# KiCad board radioboard_original.kicad_pcb (continued)
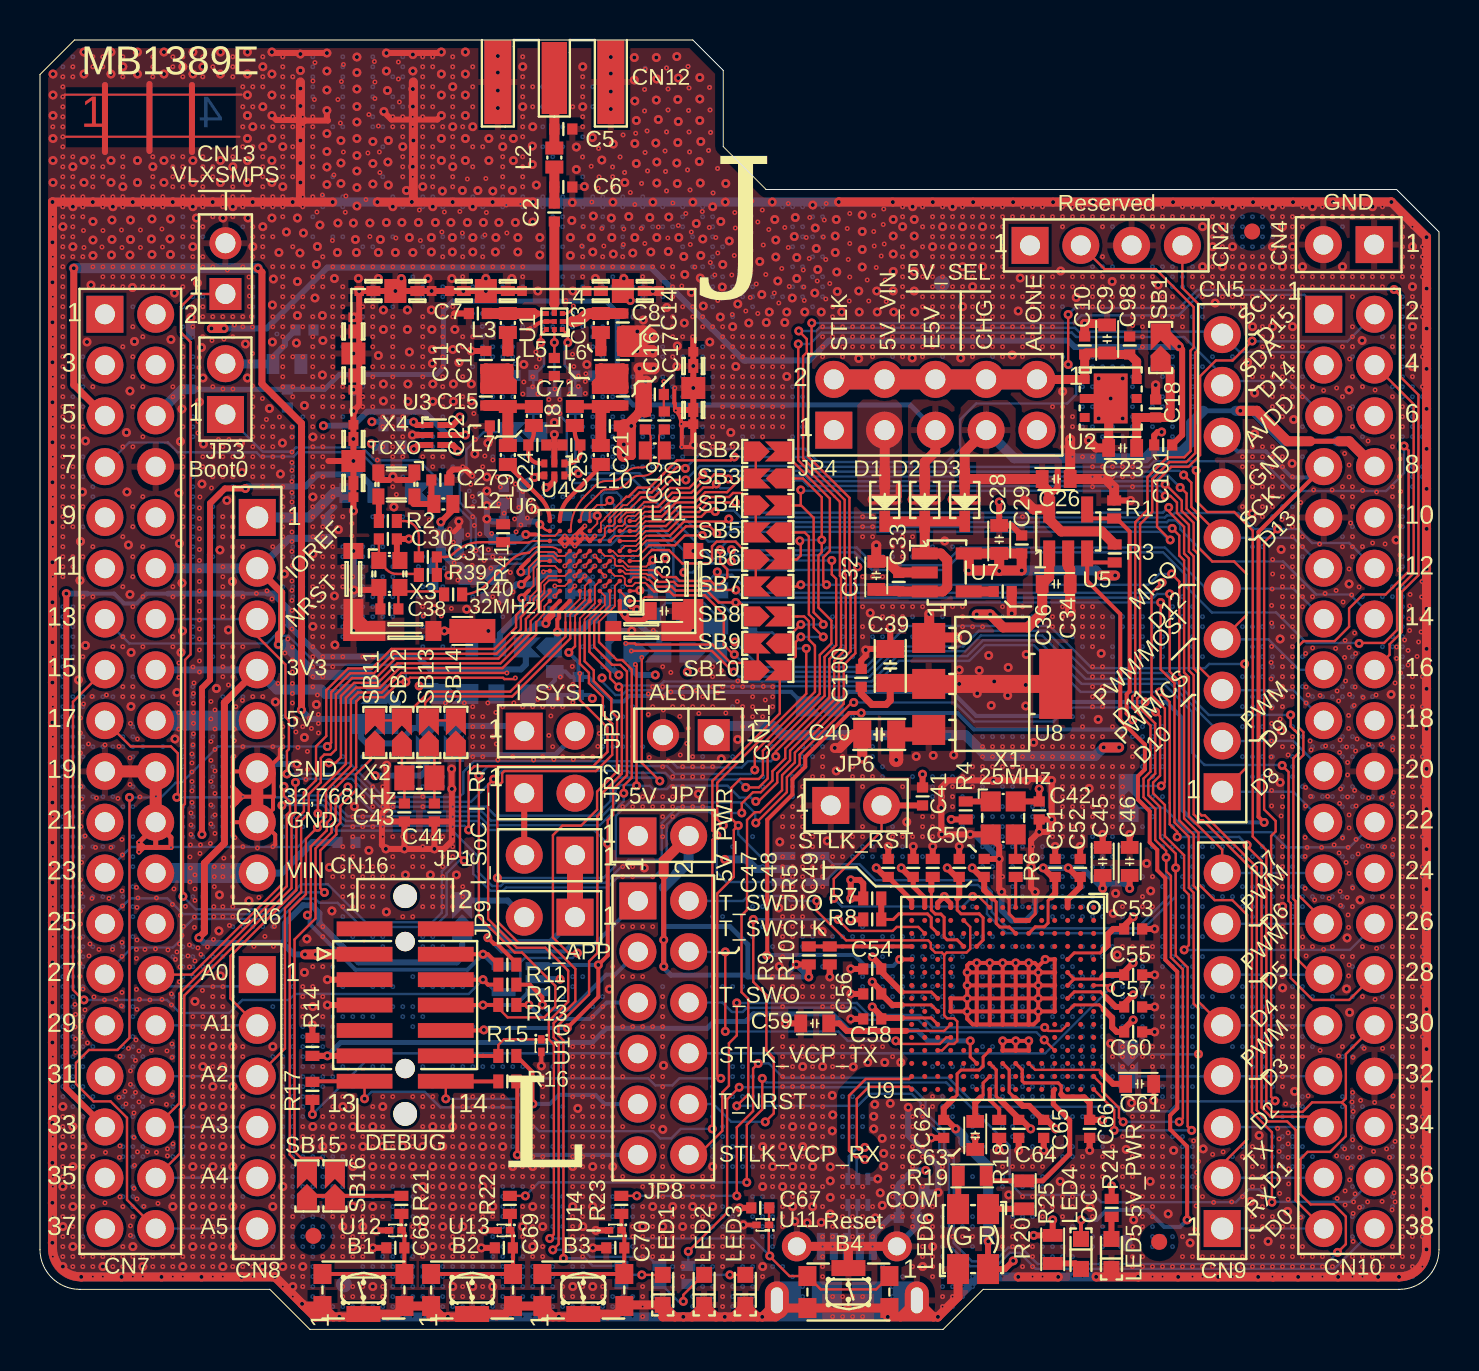
[diagram p0: board, top side]
## Routing (per net, layer and track width the routed paths; a pad name or vN(x,y) marks a point on that pad's centre or on a via; arc(x,y) is an arc through that point) (continued)
v2(7.6,26.35) v2(7.55,25.82) v2(7.55,25.22) v2(7.55,24.75) v2(7.64,56.64) v2(7.64,55.14) v2(7.64,54.64) v2(7.64,53.64) v2(7.64,53.14) v2(7.64,51.14) v2(7.64,50.14) v2(7.65,33.12) v2(7.7,32.32) v2(7.67,31.8) v2(7.67,31.31) v2(7.67,30.83) v2(7.67,30.31) v2(7.67,29.78) v2(7.65,29.23) v2(7.72,20.62) v2(7.72,20.1) v2(7.64,15.64) v2(7.64,15.14) v2(7.64,14.64) v2(7.64,14.14) v2(7.64,13.64) v2(7.64,13.14) v2(7.64,12.64) v2(7.64,12.14) v2(7.64,11.64) v2(7.64,11.14) v2(7.64,10.64) v2(7.64,10.14) v2(7.64,9.64) v2(7.64,9.14) v2(7.64,8.64) v2(7.64,7.64) v2(7.64,7.14) v2(7.64,6.64) v2(7.64,5.64) v2(7.64,5.14) v2(7.64,4.64) v2(7.64,3.64) v2(7.64,3.14) v2(7.75,22.72) v2(7.75,22.02) v2(7.75,21.45) v2(7.75,18.42) v2(7.9,45.4) v2(7.9,44.82) v2(7.9,19.07) v2(7.97,48.6) v2(7.95,48.1) v2(7.95,47.07) v2(8,41.62) v2(7.97,41.07) v2(7.97,40.55) v2(7.97,40.05) v2(7.97,39.52) v2(7.97,39) v2(7.97,38.45) v2(7.97,37.95) v2(7.97,37.4) v2(7.97,36.92) v2(7.97,36.4) v2(7.97,35.92) v2(7.97,35.47) v2(7.97,35.02) v2(7.97,34.52) v2(7.97,33.97) v2(7.97,33.42) v2(7.97,32.88) v2(8.02,24.22) v2(8,23.8) v2(8.05,18.75) v2(8.12,16.95) v2(8.14,63.64) v2(8.14,62.64) v2(8.14,58.64) v2(8.14,58.14) v2(8.14,57.64) v2(8.14,57.14) v2(8.14,56.64) v2(8.14,56.14) v2(8.14,55.14) v2(8.14,53.64) v2(8.14,53.14) v2(8.14,51.14) v2(8.14,50.64) v2(8.14,49.64) v2(8.14,43.64) v2(8.14,43.14) v2(8.14,16.14) v2(8.14,15.64) v2(8.14,15.14) v2(8.14,14.64) v2(8.14,14.14) v2(8.14,13.64) v2(8.14,12.64) v2(8.14,12.14) v2(8.14,11.64) v2(8.14,10.64) v2(8.14,10.14) v2(8.14,9.64) v2(8.14,8.64) v2(8.14,8.14) v2(8.14,7.64) v2(8.14,7.14) v2(8.14,6.64) v2(8.14,6.14) v2(8.14,5.64) v2(8.14,5.14) v2(8.14,4.64) v2(8.14,4.14) v2(8.14,3.64) v2(8.14,3.14) v2(8.38,19.12) v2(8.52,24.3) v2(8.6,49.45) v2(8.58,42.07) v2(8.55,31.4) v2(8.55,30.52) v2(8.55,29.4) v2(8.55,28.45) v2(8.55,27.4) v2(8.55,26.22) v2(8.55,25.27) v2(8.64,63.14) v2(8.64,58.14) v2(8.64,57.64) v2(8.64,55.64) v2(8.64,53.14) v2(8.64,50.64) v2(8.64,47.14) v2(8.64,44.14) v2(8.64,43.64) v2(8.64,43.14) v2(8.64,42.64) v2(8.72,23.14) v2(8.72,22.64) v2(8.72,22.14) v2(8.69,21.14) v2(8.69,20.64) v2(8.67,19.5) v2(8.64,17.14) v2(8.64,16.64) v2(8.64,16.14) v2(8.64,15.64) v2(8.64,15.14) v2(8.64,14.64) v2(8.64,13.64) v2(8.64,13.14) v2(8.64,12.64) v2(8.64,11.64) v2(8.64,11.14) v2(8.64,10.64) v2(8.64,10.14) v2(8.64,9.64) v2(8.64,9.14) v2(8.64,8.64) v2(8.64,7.64) v2(8.64,7.14) v2(8.64,6.64) v2(8.64,5.64) v2(8.64,5.14) v2(8.64,4.64) v2(8.64,3.64) v2(8.64,3.14) v2(8.64,2.64) v2(8.75,30.97) v2(8.75,30.02) v2(8.75,29) v2(8.75,27.92) v2(8.75,26.8) v2(8.75,25.72) v2(8.75,24.8) v2(8.92,44.5) v2(9.14,56.64) v2(9.14,56.14) v2(9.14,50.64) v2(9.2,49.52) v2(9.15,47.02) v2(9.14,44.14) v2(9.14,43.64) v2(9.14,43.14) v2(9.14,42.64) v2(9.14,40.64) v2(9.14,40.14) v2(9.14,39.64) v2(9.14,38.14) v2(9.14,37.64) v2(9.14,37.14) v2(9.14,36.64) v2(9.14,36.14) v2(9.14,35.64) v2(9.14,34.14) v2(9.14,33.64) v2(9.14,33.14) v2(9.14,32.64) v2(9.19,23.56) v2(9.14,23.14) v2(9.14,22.64) v2(9.14,21.14) v2(9.14,20.64) v2(9.14,17.14) v2(9.14,16.64) v2(9.14,16.14) v2(9.14,15.64) v2(9.14,15.14) v2(9.14,14.64) v2(9.14,14.14) v2(9.14,13.64) v2(9.14,12.64) v2(9.14,12.14) v2(9.14,11.64) v2(9.14,10.64) v2(9.14,10.14) v2(9.14,9.64) v2(9.14,8.64) v2(9.14,8.14) v2(9.14,7.64) v2(9.14,7.14) v2(9.14,6.64) v2(9.14,6.14) v2(9.14,5.64) v2(9.14,5.14) v2(9.14,4.64) v2(9.14,4.14) v2(9.14,3.64) v2(9.14,2.64) v2(9.38,52.97) v2(9.42,32.22) v2(9.45,44.5) v2(9.47,20.2) v2(9.64,63.64) v2(9.64,63.14) v2(9.64,62.64) v2(9.64,58.64) v2(9.64,57.64) v2(9.64,57.14) v2(9.64,56.64) v2(9.64,55.64) v2(9.64,50.64) v2(9.72,50.22) v2(9.64,49.64) v2(9.65,47.02) v2(9.64,43.64) v2(9.64,43.14) v2(9.64,42.64) v2(9.64,40.64) v2(9.64,40.14) v2(9.64,39.64) v2(9.64,39.14) v2(9.64,38.64) v2(9.64,38.14) v2(9.64,36.64) v2(9.64,36.14) v2(9.64,35.64) v2(9.64,34.14) v2(9.64,33.64) v2(9.64,33.14) v2(9.64,32.64) v2(9.72,30.01) v2(9.72,29.44) v2(9.64,24.14) v2(9.64,23.64) v2(9.64,23.14) v2(9.64,22.64) v2(9.64,22.14) v2(9.64,21.64) v2(9.64,21.14) v2(9.64,20.64) v2(9.64,15.64) v2(9.64,15.14) v2(9.64,14.64) v2(9.64,13.64) v2(9.64,13.14) v2(9.64,12.64) v2(9.64,11.64) v2(9.64,11.14) v2(9.64,10.64) v2(9.64,10.14) v2(9.64,9.64) v2(9.64,9.14) v2(9.64,8.64) v2(9.64,7.64) v2(9.64,7.14) v2(9.64,6.64) v2(9.64,5.64) v2(9.64,5.14) v2(9.64,4.64) v2(9.64,3.64) v2(9.64,3.14) v2(9.79,31.14) v2(10.12,31.45) v2(10.14,62.14) v2(10.14,61.14) v2(10.14,60.14) v2(10.14,59.14) v2(10.14,56.64) v2(10.14,56.14) v2(10.14,53.14) v2(10.14,50.64) v2(10.14,50.14) v2(10.14,43.64) v2(10.14,39.14) v2(10.14,36.64) v2(10.14,34.14) v2(10.14,29.14) v2(10.14,24.14) v2(10.14,14.14) v2(10.14,13.64) v2(10.14,11.64) v2(10.14,11.14) v2(10.14,9.14) v2(10.14,8.64) v2(10.14,6.14) v2(10.14,3.64) v2(10.14,3.14) v2(10.45,52.62) v2(10.47,52.12) v2(10.47,51.67) v2(10.47,51.15) v2(10.52,48.4) v2(10.58,50.65) v2(10.62,50.12) v2(10.62,48.8) v2(10.62,47.17) v2(10.64,62.14) v2(10.64,61.14) v2(10.64,59.14) v2(10.64,55.14) v2(10.64,54.64) v2(10.64,53.64) v2(10.64,46.64) v2(10.64,46.14) v2(10.64,45.64) v2(10.64,45.14) v2(10.64,44.64) v2(10.64,44.14) v2(10.64,43.64) v2(10.64,43.14) v2(10.64,42.64) v2(10.64,31.64) v2(10.7,19.15) v2(10.64,3.64) v2(10.64,3.14) v2(10.64,2.64) v2(10.83,36.8) v2(10.88,24.07) v2(10.95,21.6) v2(11.12,46.55) v2(11.14,63.64) v2(11.14,62.64) v2(11.14,62.14) v2(11.14,60.14) v2(11.14,58.64) v2(11.14,58.14) v2(11.14,57.64) v2(11.14,57.14) v2(11.14,56.64) v2(11.14,56.14) v2(11.14,54.64) v2(11.14,54.14) v2(11.14,53.64) v2(11.14,45.14) v2(11.14,44.64) v2(11.14,44.14) v2(11.14,43.64) v2(11.14,43.14) v2(11.14,42.64) v2(11.14,42.14) v2(11.14,31.64) v2(11.14,3.64) v2(11.14,2.64) v2(11.33,45.5) v2(11.25,19.65) v2(11.35,36.92) v2(11.6,36.52) v2(11.64,60.14) v2(11.64,56.64) v2(11.64,56.14) v2(11.64,54.64) v2(11.64,53.14) v2(11.64,50.64) v2(11.64,50.14) v2(11.64,48.64) v2(11.64,45.14) v2(11.64,44.64) v2(11.64,44.14) v2(11.64,43.64) v2(11.64,43.14) v2(11.64,42.14) v2(11.64,39.14) v2(11.64,29.14) v2(11.72,20.15) v2(11.67,19.15) v2(11.64,11.64) v2(11.64,11.14) v2(11.64,9.14) v2(11.64,8.64) v2(11.64,6.64) v2(11.64,3.64) v2(11.64,3.14) v2(11.9,32.3) v2(11.97,45.62) v2(12.14,63.64) v2(12.14,63.14) v2(12.14,62.64) v2(12.14,62.14) v2(12.14,61.64) v2(12.14,61.14) v2(12.14,60.64) v2(12.14,60.14) v2(12.14,59.64) v2(12.14,58.64) v2(12.14,58.14) v2(12.14,57.64) v2(12.14,56.64) v2(12.14,56.14) v2(12.14,55.64) v2(12.14,53.14) v2(12.14,52.64) v2(12.14,52.14) v2(12.14,51.64) v2(12.14,51.14) v2(12.14,50.64) v2(12.14,50.14) v2(12.14,49.64) v2(12.14,49.14) v2(12.14,48.64) v2(12.14,48.14) v2(12.14,47.64) v2(12.14,47.14) v2(12.14,45.14) v2(12.14,43.64) v2(12.14,42.14) v2(12.14,41.64) v2(12.14,41.14) v2(12.14,40.64) v2(12.14,40.14) v2(12.14,39.64) v2(12.14,39.14) v2(12.14,38.64) v2(12.14,30.14) v2(12.14,29.64) v2(12.14,8.64) v2(12.14,8.14) v2(12.14,7.64) v2(12.14,6.64) v2(12.14,6.14) v2(12.14,5.64) v2(12.14,5.14) v2(12.14,4.64) v2(12.14,4.14) v2(12.14,3.64) v2(12.14,2.14) v2(12.25,33.82) v2(12.4,34.52) v2(12.6,45.12) v2(12.6,44.62) v2(12.6,43.88) v2(12.6,43.35) v2(12.6,42.95) v2(12.6,42.4) v2(12.6,41.85) v2(12.6,41.38) v2(12.6,40.9) v2(12.6,40.4) v2(12.6,39.88) v2(12.6,39.4) v2(12.6,38.9) v2(12.62,38.2) v2(12.6,37.42) v2(12.6,36.95) v2(12.6,36.45) v2(12.6,35.95) v2(12.6,35.5) v2(12.6,35.02) v2(12.62,34.12) v2(12.62,33.47) v2(12.62,32.88) v2(12.62,32.3) v2(12.62,31.8) v2(12.62,31.32) v2(12.64,62.64) v2(12.64,61.64) v2(12.64,60.64) v2(12.64,60.14) v2(12.64,59.14) v2(12.64,58.64) v2(12.64,57.64) v2(12.64,54.14) v2(12.64,53.14) v2(12.64,51.64) v2(12.64,51.14) v2(12.64,50.14) v2(12.64,48.64) v2(12.64,47.14) v2(12.64,46.64) v2(12.64,5.64) v2(12.64,5.14) v2(12.64,4.14) v2(12.64,3.64) v2(12.64,3.14) v2(12.64,2.64) v2(12.64,1.64) v2(12.8,30.55) v2(12.8,29.88) v2(12.9,29.1) v2(13.14,60.64) v2(13.14,60.14) v2(13.14,56.64) v2(13.14,56.14) v2(13.14,53.14) v2(13.14,51.64) v2(13.14,51.14) v2(13.14,50.14) v2(13.14,48.64) v2(13.14,47.14) v2(13.14,30.14) v2(13.14,17.14) v2(13.14,16.64) v2(13.14,16.14) v2(13.14,15.64) v2(13.14,10.14) v2(13.14,9.64) v2(13.14,9.14) v2(13.14,3.64) v2(13.14,2.64) v2(13.14,2.14) v2(13.3,27.5) v2(13.38,28.9) v2(13.38,28) v2(13.47,30.55) v2(13.58,30.05) v2(13.65,62.42) v2(13.72,61.5) v2(13.64,60.64) v2(13.64,60.14) v2(13.64,59.64) v2(13.64,59.14) v2(13.64,58.64) v2(13.64,58.14) v2(13.64,57.64) v2(13.64,56.64) v2(13.64,52.64) v2(13.64,52.14) v2(13.64,50.64) v2(13.64,50.14) v2(13.64,49.64) v2(13.64,49.14) v2(13.64,48.64) v2(13.64,48.14) v2(13.64,47.64) v2(13.64,47.14) v2(13.64,46.64) v2(13.64,45.64) v2(13.64,45.14) v2(13.64,44.14) v2(13.64,43.64) v2(13.64,43.14) v2(13.64,42.64) v2(13.64,42.14) v2(13.64,41.14) v2(13.64,40.64) v2(13.64,40.14) v2(13.64,39.64) v2(13.64,38.14) v2(13.64,37.64) v2(13.64,37.14) v2(13.64,36.64) v2(13.64,36.14) v2(13.64,35.64) v2(13.64,34.64) v2(13.64,34.14) v2(13.64,33.64) v2(13.64,33.14) v2(13.64,32.64) v2(13.64,32.14) v2(13.64,18.14) v2(13.64,17.14) v2(13.64,16.64) v2(13.64,9.64) v2(13.64,9.14) v2(13.75,63.35) v2(13.85,55.88) v2(13.88,31.72) v2(13.92,30.75) v2(13.92,30.3) v2(13.92,29.82) v2(14.12,56.72) v2(14.14,53.64) v2(14.14,52.64) v2(14.14,52.14) v2(14.14,50.14) v2(14.14,48.64) v2(14.14,47.14) v2(14.14,46.64) v2(14.14,46.14) v2(14.14,44.64) v2(14.14,44.14) v2(14.14,43.64) v2(14.14,43.14) v2(14.14,42.64) v2(14.14,42.14) v2(14.14,41.64) v2(14.14,41.14) v2(14.14,40.64) v2(14.14,40.14) v2(14.14,39.64) v2(14.14,39.14) v2(14.14,38.64) v2(14.14,38.14) v2(14.14,37.64) v2(14.14,37.14) v2(14.14,36.64) v2(14.14,36.14) v2(14.14,35.64) v2(14.14,35.14) v2(14.14,34.64) v2(14.14,34.14) v2(14.14,33.64) v2(14.14,33.14) v2(14.14,32.64) v2(14.14,20.14) v2(14.14,19.64) v2(14.14,18.14) v2(14.14,16.64) v2(14.14,15.64) v2(14.14,13.14) v2(14.14,10.64) v2(14.14,10.14) v2(14.14,9.64) v2(14.14,3.64) v2(14.62,54.45) v2(14.7,57.72) v2(14.64,53.14) v2(14.64,51.64) v2(14.64,51.14) v2(14.64,50.64) v2(14.64,50.14) v2(14.64,49.64) v2(14.64,49.14) v2(14.64,48.64) v2(14.64,48.14) v2(14.64,47.64) v2(14.64,47.14) v2(14.64,46.64) v2(14.64,46.14) v2(14.64,45.64) v2(14.64,44.64) v2(14.64,42.14) v2(14.64,41.64) v2(14.64,41.14) v2(14.64,40.64) v2(14.64,39.14) v2(14.64,38.64) v2(14.64,38.14) v2(14.64,37.64) v2(14.64,37.14) v2(14.64,36.14) v2(14.64,35.64) v2(14.64,35.14) v2(14.64,33.64) v2(14.64,33.14) v2(14.64,22.64) v2(14.64,11.64) v2(14.64,11.14) v2(14.64,10.64) v2(14.64,9.64) v2(14.64,9.14) v2(14.64,5.64) v2(14.64,4.14) v2(14.64,3.64) v2(14.9,61.5) v2(15.02,60.32) v2(15.08,62.4) v2(15.17,63.25) v2(15.17,58.88) v2(15.14,53.14) v2(15.14,52.14) v2(15.14,51.64) v2(15.14,51.14) v2(15.14,50.64) v2(15.14,50.14) v2(15.14,49.64) v2(15.14,47.64) v2(15.14,47.14) v2(15.14,46.64) v2(15.14,46.14) v2(15.14,40.64) v2(15.14,38.14) v2(15.14,37.64) v2(15.14,37.14) v2(15.14,33.64) v2(15.14,24.14) v2(15.14,23.64) v2(15.14,23.14) v2(15.14,22.64) v2(15.14,22.14) v2(15.14,21.64) v2(15.14,21.14) v2(15.14,11.64) v2(15.14,10.64) v2(15.14,10.14) v2(15.14,9.64) v2(15.14,5.64) v2(15.14,4.64) v2(15.14,4.14) v2(15.14,3.64) v2(15.14,2.14) v2(15.14,1.64) v2(15.3,56.67) v2(15.27,55.86) v2(15.6,40.3) v2(15.6,39.67) v2(15.64,53.14) v2(15.64,37.64) v2(15.64,25.64) v2(15.64,25.14) v2(15.64,24.64) v2(15.64,24.14) v2(15.64,23.64) v2(15.64,23.14) v2(15.64,22.64) v2(15.64,22.14) v2(15.64,21.64) v2(15.64,21.14) v2(15.64,11.64) v2(15.64,11.14) v2(15.64,10.64) v2(15.64,9.64) v2(15.64,9.14) v2(15.64,8.64) v2(15.64,7.64) v2(15.64,7.14) v2(15.64,5.64) v2(15.64,5.14) v2(15.64,4.64) v2(15.64,3.64) v2(15.64,2.14) v2(15.64,1.64) v2(16.14,53.14) v2(16.14,51.14) v2(16.14,46.64) v2(16.14,46.14) v2(16.14,33.64) v2(16.14,26.64) v2(16.14,25.64) v2(16.14,25.14) v2(16.14,24.64) v2(16.14,23.14) v2(16.14,22.64) v2(16.14,22.14) v2(16.14,21.64) v2(16.14,21.14) v2(16.14,10.64) v2(16.14,10.14) v2(16.14,9.64) v2(16.14,8.64) v2(16.14,8.14) v2(16.14,7.64) v2(16.14,7.14) v2(16.14,6.14) v2(16.14,5.64) v2(16.14,4.64) v2(16.14,4.14) v2(16.14,3.64) v2(16.14,2.14) v2(16.14,1.64) v2(16.3,56.5) v2(16.4,58.82) v2(16.45,60.75) v2(16.5,54.65) v2(16.73,63.4) v2(16.64,53.14) v2(16.64,51.14) v2(16.64,50.64) v2(16.64,50.14) v2(16.64,49.64) v2(16.64,49.14) v2(16.64,48.14) v2(16.64,47.64) v2(16.64,47.14) v2(16.64,46.64) v2(16.64,46.14) v2(16.64,33.64) v2(16.64,27.14) v2(16.64,26.64) v2(16.64,26.14) v2(16.64,25.64) v2(16.64,25.14) v2(16.64,24.64) v2(16.64,23.14) v2(16.64,22.64) v2(16.64,22.14) v2(16.64,21.64) v2(16.64,21.14) v2(16.64,11.14) v2(16.64,10.64) v2(16.64,9.64) v2(16.64,9.14) v2(16.64,8.64) v2(16.64,7.64) v2(16.64,7.14) v2(16.64,5.64) v2(16.64,1.64) v2(16.75,62.38) v2(16.75,61.55) v2(16.92,60.17) v2(16.87,43.48) v2(16.98,58.88) v2(17,57.85) v2(17.14,53.14) v2(17.14,48.14) v2(17.14,45.64) v2(17.14,45.14) v2(17.14,44.14) v2(17.14,27.14) v2(17.14,26.64) v2(17.14,26.14) v2(17.14,25.64) v2(17.14,25.14) v2(17.14,24.64) v2(17.14,23.14) v2(17.14,22.64) v2(17.14,22.14) v2(17.14,21.64) v2(17.14,11.64) v2(17.14,10.64) v2(17.14,10.14) v2(17.14,9.64) v2(17.14,8.64) v2(17.14,8.14) v2(17.14,7.64) v2(17.14,7.14) v2(17.14,6.14) v2(17.14,5.64) v2(17.14,2.14) v2(17.14,1.64) v2(17.64,60.64) v2(17.64,60.14) v2(17.64,53.14) v2(17.64,50.64) v2(17.64,50.14) v2(17.64,49.64) v2(17.64,49.14) v2(17.64,48.64) v2(17.64,48.14) v2(17.64,47.64) v2(17.64,47.14) v2(17.64,46.64) v2(17.64,46.14) v2(17.64,45.64) v2(17.64,45.14) v2(17.64,44.64) v2(17.64,44.14) v2(17.64,43.64) v2(17.64,43.14) v2(17.64,42.14) v2(17.64,26.64) v2(17.64,26.14) v2(17.64,24.64) v2(17.64,23.64) v2(17.64,23.14) v2(17.64,22.64) v2(17.64,11.64) v2(17.64,9.64) v2(17.64,9.14) v2(17.64,8.64) v2(17.64,7.64) v2(17.8,54.57) v2(17.83,41.75) v2(17.92,63.38) v2(17.92,62.52) v2(17.98,61.38) v2(18.14,60.64) v2(18.14,60.14) v2(18.14,59.64) v2(18.14,58.64) v2(18.14,58.14) v2(18.14,57.64) v2(18.14,53.14) v2(18.14,48.14) v2(18.14,45.64) v2(18.14,45.14) v2(18.14,44.64) v2(18.14,44.14) v2(18.14,43.64) v2(18.14,24.64) v2(18.14,20.64) v2(18.14,9.64) v2(18.14,8.64) v2(18.14,8.14) v2(18.14,7.64) v2(18.64,60.64) v2(18.64,60.14) v2(18.64,58.64) v2(18.64,57.64) v2(18.64,53.14) v2(18.64,48.14) v2(18.64,24.64) v2(18.64,23.64) v2(18.64,23.14) v2(18.64,20.64) v2(18.64,11.64) v2(18.64,9.64) v2(18.64,9.14) v2(18.64,8.64) v2(18.64,7.64) v2(18.64,5.14) v2(18.64,4.64) v2(18.98,55.97) v2(19.02,54.45) v2(19.14,63.64) v2(19.14,63.14) v2(19.14,62.64) v2(19.14,62.14) v2(19.14,61.64) v2(19.14,61.14) v2(19.14,60.64) v2(19.14,60.14) v2(19.14,59.64) v2(19.14,59.14) v2(19.14,58.64) v2(19.14,58.14) v2(19.14,57.64) v2(19.14,53.14) v2(19.14,50.64) v2(19.14,50.14) v2(19.14,49.64) v2(19.14,49.14) v2(19.14,48.64) v2(19.14,48.14) v2(19.14,47.64) v2(19.14,47.14) v2(19.14,46.64) v2(19.14,46.14) v2(19.14,43.64) v2(19.14,36.14) v2(19.17,35.68) v2(19.14,26.64) v2(19.14,26.14) v2(19.14,24.64) v2(19.14,24.14) v2(19.14,23.64) v2(19.14,23.14) v2(19.14,22.14) v2(19.14,21.14) v2(19.14,11.64) v2(19.14,11.14) v2(19.14,10.14) v2(19.14,9.64) v2(19.14,8.64) v2(19.14,8.14) v2(19.14,7.64) v2(19.14,6.64) v2(19.14,6.14) v2(19.14,5.64) v2(19.14,4.64) v2(19.14,4.14) v2(19.14,3.64) v2(19.48,40.48) v2(19.64,63.64) v2(19.64,63.14) v2(19.64,62.14) v2(19.64,61.14) v2(19.64,60.14) v2(19.64,59.14) v2(19.64,58.64) v2(19.64,58.14) v2(19.64,57.64) v2(19.64,57.14) v2(19.64,53.14) v2(19.64,43.64) v2(19.64,43.14) v2(19.64,24.64) v2(19.64,22.14) v2(19.64,21.64) v2(19.64,21.14) v2(19.64,11.64) v2(19.64,11.14) v2(19.64,10.64) v2(19.64,9.64) v2(19.64,9.14) v2(19.64,8.64) v2(19.64,7.64) v2(19.64,7.14) v2(19.64,6.64) v2(19.64,5.64) v2(19.64,5.14) v2(19.64,4.64) v2(19.64,3.64) v2(19.9,39.83) v2(20.1,54.88) v2(20.08,35.68) v2(20.14,60.14) v2(20.23,55.88) v2(20.14,53.64) v2(20.14,53.14) v2(20.14,51.14) v2(20.14,50.64) v2(20.14,50.14) v2(20.14,49.64) v2(20.14,49.14) v2(20.14,48.64) v2(20.14,48.14) v2(20.14,47.64) v2(20.14,47.14) v2(20.14,46.64) v2(20.14,46.14) v2(20.14,43.64) v2(20.14,24.64) v2(20.14,23.64) v2(20.14,23.14) v2(20.14,22.64) v2(20.14,22.14) v2(20.14,21.64) v2(20.14,21.14) v2(20.14,10.64) v2(20.14,10.14) v2(20.14,9.64) v2(20.14,8.64) v2(20.14,8.14) v2(20.14,7.64) v2(20.14,6.64) v2(20.14,6.14) v2(20.14,5.64) v2(20.14,4.64) v2(20.14,4.14) v2(20.14,3.64) v2(20.27,31.33) v2(20.5,40.03) v2(20.58,36.05) v2(20.64,63.64) v2(20.64,63.14) v2(20.64,62.64) v2(20.64,61.64) v2(20.64,61.14) v2(20.64,60.64) v2(20.64,59.64) v2(20.64,59.14) v2(20.64,58.64) v2(20.64,57.64) v2(20.64,57.14) v2(20.64,53.14) v2(20.64,51.14) v2(20.64,50.64) v2(20.67,39.36) v2(20.71,38.32) v2(20.64,26.14) v2(20.64,25.64) v2(20.64,25.14) v2(20.64,24.64) v2(20.64,24.14) v2(20.64,23.64) v2(20.64,22.14) v2(20.64,21.64) v2(20.64,21.14) v2(20.64,11.14) v2(20.64,10.64) v2(20.64,9.64) v2(20.64,9.14) v2(20.64,8.64) v2(20.64,7.64) v2(20.64,7.14) v2(20.64,6.64) v2(20.64,5.64) v2(20.64,5.14) v2(20.64,4.64) v2(20.64,3.64) v2(20.64,1.64) v2(20.9,37.46) v2(21,55.9) v2(20.96,37.9) v2(21.12,54.82) v2(21.14,60.14) v2(21.14,53.64) v2(21.14,53.14) v2(21.14,52.64) v2(21.14,49.64) v2(21.14,49.14) v2(21.14,47.64) v2(21.14,46.64) v2(21.14,46.14) v2(21.14,43.14) v2(21.19,38.67) v2(21.23,31.33) v2(21.14,22.14) v2(21.14,21.64) v2(21.14,21.14) v2(21.14,11.64) v2(21.14,11.14) v2(21.14,10.64) v2(21.14,10.14) v2(21.14,9.64) v2(21.14,8.64) v2(21.14,8.14) v2(21.14,7.64) v2(21.14,6.64) v2(21.14,6.14) v2(21.14,5.64) v2(21.14,4.64) v2(21.14,4.14) v2(21.14,3.64) v2(21.14,2.14) v2(21.14,1.64) v2(21.37,57.52) v2(21.4,39.72) v2(21.51,37.47) v2(21.55,42.25) v2(21.62,41.65) v2(21.61,38.2) v2(21.64,63.14) v2(21.64,62.14) v2(21.64,61.14) v2(21.64,59.14) v2(21.64,58.14) v2(21.64,53.14) v2(21.64,49.64) v2(21.7,45.8) v2(21.64,41.14) v2(21.64,40.64) v2(21.73,40.2) v2(21.64,31.14) v2(21.64,30.64) v2(21.64,30.14) v2(21.64,29.64) v2(21.64,29.14) v2(21.64,28.64) v2(21.64,11.64) v2(21.64,11.14) v2(21.64,10.64) v2(21.64,9.64) v2(21.64,9.14) v2(21.64,8.64) v2(21.64,7.64) v2(21.64,7.14) v2(21.64,6.64) v2(21.64,5.64) v2(21.64,5.14) v2(21.64,4.64) v2(21.64,3.64) v2(21.64,1.64) v2(21.77,45.15) v2(21.77,44.5) v2(21.8,38.94) v2(21.89,36.05) v2(22,39.77) v2(22.06,37.59) v2(22.14,59.14) v2(22.14,53.64) v2(22.14,53.14) v2(22.14,43.14) v2(22.21,38.45) v2(22.14,30.64) v2(22.14,30.14) v2(22.14,29.64) v2(22.14,29.14) v2(22.14,28.64) v2(22.14,11.64) v2(22.14,11.14) v2(22.14,10.64) v2(22.14,10.14) v2(22.14,9.64) v2(22.14,8.64) v2(22.14,8.14) v2(22.14,7.64) v2(22.14,6.64) v2(22.14,6.14) v2(22.14,5.64) v2(22.14,2.14) v2(22.14,1.64) v2(22.3,57.55) v2(22.33,55.85) v2(22.25,54.72) v2(22.25,43.67) v2(22.42,38.99) v2(22.4,31.33) v2(22.59,39.8) v2(22.55,38.06) v2(22.64,53.14) v2(22.65,43.48) v2(22.64,38.64) v2(22.64,36.64) v2(22.64,29.64) v2(22.64,11.64) v2(22.64,11.14) v2(22.64,10.64) v2(22.64,9.64) v2(22.64,9.14) v2(22.64,8.64) v2(22.64,7.64) v2(22.64,7.14) v2(22.64,6.64) v2(22.64,5.64) v2(22.64,1.64) v2(22.8,30.85) v2(22.8,30.15) v2(22.83,29.28) v2(22.87,42.63) v2(22.87,37.18) v2(22.9,28.48) v2(23.02,42.13) v2(22.95,41.28) v2(22.95,36.33) v2(23.04,38.55) v2(23.14,59.64) v2(23.14,58.64) v2(23.14,58.14) v2(23.14,57.64) v2(23.14,57.14) v2(23.14,53.14) v2(23.21,40.81) v2(23.14,31.14) v2(23.14,11.64) v2(23.14,11.14) v2(23.14,10.64) v2(23.14,10.14) v2(23.14,9.64) v2(23.14,8.64) v2(23.14,8.14) v2(23.14,7.64) v2(23.33,56.22) v2(23.35,54.82) v2(23.4,42.63) v2(23.42,41.63) v2(23.52,37.85) v2(23.64,53.14) v2(23.65,36.88) v2(23.7,31.33) v2(23.64,28.64) v2(23.64,7.64) v2(23.77,42.28) v2(23.74,40.52) v2(23.81,39.88) v2(24.02,56.27) v2(23.95,41.1) v2(24.05,40.23) v2(24.14,63.64) v2(24.14,62.64) v2(24.14,62.14) v2(24.14,61.64) v2(24.14,60.64) v2(24.14,60.14) v2(24.14,59.64) v2(24.14,58.64) v2(24.14,58.14) v2(24.14,57.64) v2(24.14,57.14) v2(24.14,53.14) v2(24.14,52.64) v2(24.2,47.38) v2(24.15,46.78) v2(24.15,41.9) v2(24.14,31.14) v2(24.14,8.14) v2(24.14,7.64) v2(24.14,6.14) v2(24.14,5.64) v2(24.14,4.64) v2(24.37,40.58) v2(24.52,41.48) v2(24.64,62.14) v2(24.64,61.14) v2(24.64,47.64) v2(24.64,47.14) v2(24.64,31.14) v2(24.69,28.47) v2(24.64,10.64) v2(24.64,10.14) v2(24.64,9.64) v2(24.64,9.14) v2(24.64,8.64) v2(24.64,7.64) v2(24.64,7.14) v2(24.64,5.64) v2(24.64,5.14) v2(24.64,4.64) v2(24.64,3.64) v2(24.8,48.88) v2(24.83,48.13) v2(24.9,46.78) v2(24.9,31.5) v2(24.98,48.52) v2(25.05,47.4) v2(25.14,31.14) v2(25.14,28.64) v2(25.14,12.64) v2(25.14,12.14) v2(25.14,11.64) v2(25.14,10.64) v2(25.14,10.14) 